# Altium PCB Beagle93.PCBDOC (part 4 of 7)
Units mm, origin at the board's own origin, x right, y up, seen from the top; angles counter-clockwise.
Board outline 86.3 x 85.3 mm, 6 copper layers (TopLayer, MidLayer1, MidLayer2, SignalLayer1, Internal Plane 1, BottomLayer), stack 1.528 mm thick; 387 components, 325 nets, 1796 pads, 884 vias.
Unrouted connection lines stored in the file: 7.
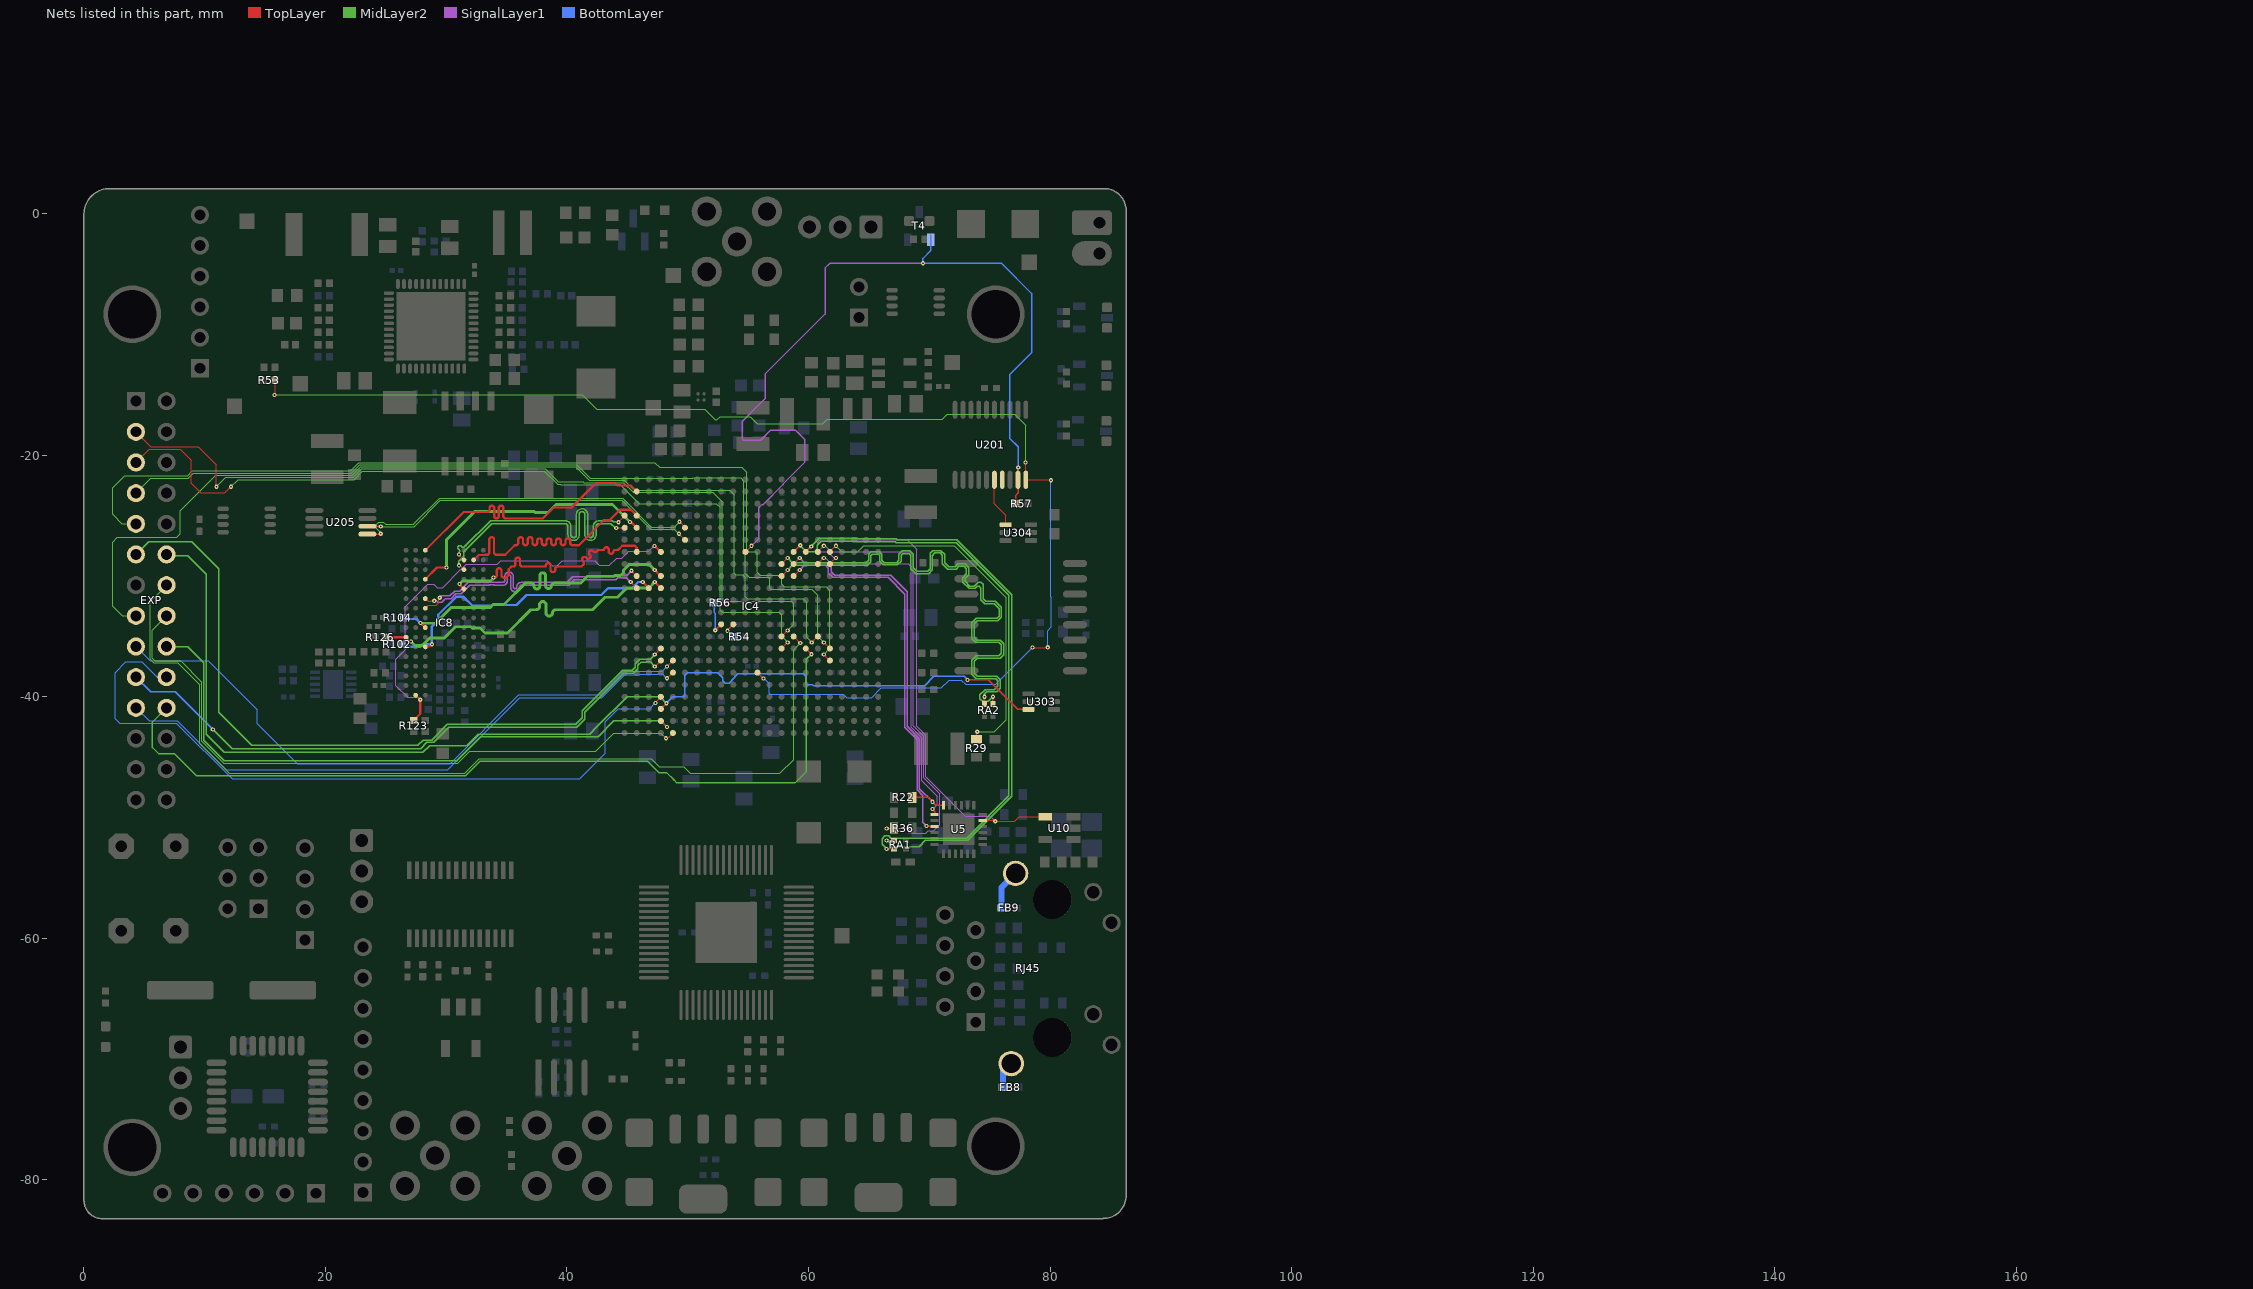
[diagram p8: the nets of this part, all layers, seen from the top]

## Via types
v1: diameter 0.35, hole 0.15, TopLayer to BottomLayer, tented both sides, 544 vias
v2: diameter 0.5, hole 0.2, TopLayer to BottomLayer, tented both sides, 183 vias
v3: diameter 0.6, hole 0.3, TopLayer to BottomLayer, tented both sides, 65 vias
v4: diameter 0.8, hole 0.5, TopLayer to BottomLayer, tented both sides, 53 vias
v5: diameter 0.8, hole 0.5, TopLayer to BottomLayer, 25 vias
v6: diameter 0.61, hole 0.305, TopLayer to BottomLayer, 12 vias
v7: diameter 0.508, hole 0.254, TopLayer to BottomLayer, 1 vias
v8: diameter 0.635, hole 0.381, TopLayer to BottomLayer, 1 vias

## Nets (pads, with @x,y where several pads share a name; then routed paths per layer and width w, separated by ;. In a path a pad name is that pad's centre, name@x,y a point inside that pad or via, vN(x,y) a via of type N, cw(c..) or ccw(c..) an arc to the next point about the centre after c; other vN are vias at no path point) (continued)
DDR3_DQ14: IC4.D2 IC8.B8 | length 23
  TopLayer w0.19: IC8.B8@32.267,-28.651 32.683,-28.235 33.226,-28.235 33.242,-28.219 33.375,-28.219 ccw(c33.375,-28.024) 33.57,-28.024 33.57,-26.962 cw(c33.765,-26.962) 33.765,-26.767 cw(c33.765,-26.962) 33.96,-26.962 33.96,-28.024 ccw(c34.155,-28.024) 34.155,-28.219 34.35,-28.219 34.881,-28.219 35.675,-27.425 35.775,-27.425 ccw(c35.775,-27.23) 35.97,-27.23 35.97,-26.962 cw(c36.165,-26.962) 36.165,-26.767 cw(c36.165,-26.962) 36.36,-26.962 36.36,-27.23 ccw(c36.555,-27.23) 36.555,-27.425 ccw(c36.555,-27.23) 36.75,-27.23 36.75,-26.962 cw(c36.945,-26.962) 36.945,-26.767 cw(c36.945,-26.962) 37.14,-26.962 37.14,-27.23 ccw(c37.335,-27.23) 37.335,-27.425 ccw(c37.335,-27.23) 37.53,-27.23 37.53,-27.069 cw(c37.725,-27.069) 37.725,-26.874 cw(c37.725,-27.069) 37.92,-27.069 37.92,-27.23 ccw(c38.115,-27.23) 38.115,-27.425 ccw(c38.115,-27.23) 38.31,-27.23 38.31,-27.069 cw(c38.505,-27.069) 38.505,-26.874 cw(c38.505,-27.069) 38.7,-27.069 38.7,-27.23 ccw(c38.895,-27.23) 38.895,-27.425 ccw(c38.895,-27.23) 39.09,-27.23 39.09,-27.069 cw(c39.285,-27.069) 39.285,-26.874 cw(c39.285,-27.069) 39.48,-27.069 39.48,-27.23 ccw(c39.675,-27.23) 39.675,-27.425 ccw(c39.675,-27.23) 39.87,-27.23 39.87,-27.069 cw(c40.065,-27.069) 40.065,-26.874 cw(c40.065,-27.069) 40.26,-27.069 40.26,-27.23 ccw(c40.455,-27.23) 40.455,-27.425 40.65,-27.425 40.825,-27.425 40.95,-27.425 40.995,-27.425 43.05,-25.37 43.517,-25.37 44.402,-24.485 45.272,-24.485 IC4.D2@45.772,-24.985
DDR3_DQ15: IC4.B2 IC8.A3 | length 23.4
  TopLayer w0.19: IC8.A3@28.267,-27.851 31.443,-24.675 33.4,-24.675 ccw(c33.4,-24.485) 33.59,-24.485 33.59,-24.349 cw(c33.78,-24.349) 33.78,-24.159 cw(c33.78,-24.349) 33.97,-24.349 33.97,-24.675 33.97,-25.026 ccw(c34.16,-25.026) 34.16,-25.216 ccw(c34.16,-25.026) 34.35,-25.026 34.35,-24.675 34.35,-24.349 cw(c34.54,-24.349) 34.54,-24.159 cw(c34.54,-24.349) 34.73,-24.349 34.73,-24.675 34.73,-25.026 ccw(c34.92,-25.026) 34.92,-25.216 37.984,-25.216 38.9,-24.3 40.375,-24.3 42.4,-22.275 43.99,-22.275 44.2,-22.485 45.272,-22.485 IC4.B2@45.772,-22.985
DDR3_LDM: IC4.G2 IC8.E7 | length 22.4
  TopLayer w0.19: v1(31.1,-30.65) 31.1,-30.684 IC8.E7@31.467,-31.051 ; v1(33.91,-30.114) 33.991,-30.114 ccw(c33.991,-29.919) 34.186,-29.919 34.186,-29.533 cw(c34.381,-29.533) 34.381,-29.338 cw(c34.381,-29.533) 34.576,-29.533 34.576,-29.919 ccw(c34.771,-29.919) 34.771,-30.114 34.966,-30.114 35.175,-29.905 35.175,-29.425 35.4,-29.2 35.53,-29.2 ccw(c35.53,-29.005) 35.725,-29.005 35.725,-28.654 cw(c35.92,-28.654) 35.92,-28.459 cw(c35.92,-28.654) 36.115,-28.654 36.115,-29.005 ccw(c36.31,-29.005) 36.31,-29.2 36.505,-29.2 36.7,-29.2 38.05,-29.2 38.157,-29.2 ccw(c38.157,-29.112) 38.245,-29.112 cw(c38.44,-29.112) 38.44,-28.917 cw(c38.44,-29.112) 38.635,-29.112 38.635,-29.2 38.635,-29.463 ccw(c38.83,-29.463) 38.83,-29.658 ccw(c38.83,-29.463) 39.025,-29.463 39.025,-29.395 cw(c39.22,-29.395) 39.22,-29.2 39.415,-29.2 39.65,-29.2 41.2,-29.2 41.35,-29.05 ccw(c41.212,-28.912) 41.35,-28.774 41.308,-28.732 cw(c41.446,-28.594) 41.308,-28.456 cw(c41.446,-28.594) 41.584,-28.456 41.626,-28.498 ccw(c41.764,-28.361) 41.902,-28.498 ccw(c41.764,-28.361) 41.902,-28.223 41.872,-28.194 cw(c42.01,-28.056) 41.872,-27.918 cw(c42.01,-28.056) 42.148,-27.918 42.177,-27.947 ccw(c42.315,-27.809) 42.453,-27.947 42.563,-27.838 42.57,-27.83 42.875,-27.83 43.034,-27.83 ccw(c43.034,-27.794) 43.07,-27.794 cw(c43.265,-27.794) 43.265,-27.599 cw(c43.265,-27.794) 43.46,-27.794 43.46,-27.83 43.46,-27.944 ccw(c43.655,-27.944) 43.655,-28.139 ccw(c43.655,-27.944) 43.85,-27.944 cw(c43.964,-27.944) 43.964,-27.83 44.22,-27.83 44.575,-27.475 45.625,-27.475 45.772,-27.622 IC4.G2@45.772,-27.985
  MidLayer2 w0.24: v1(31.1,-30.65) 31.35,-30.4 33.674,-30.4 v1@33.9,-30.174
DDR3_LDQS_N: IC4.J2 IC8.G3 | length 21.3
  TopLayer w0.095: IC8.G3@28.267,-32.651 28.507,-32.411 28.854,-32.411 28.855,-32.412 29.164,-32.412 29.382,-32.194 29.382,-31.962 29.46,-31.885 v1(29.46,-31.789) ; v1(45.337,-29.55) IC4.J2@45.772,-29.985
  SignalLayer1 w0.115: v1(29.46,-31.789) 29.46,-31.765 29.603,-31.622 30.303,-31.622 30.7,-31.225 31.125,-31.225 31.835,-30.515 33.51,-30.515 33.528,-30.497 34.066,-30.497 34.084,-30.515 34.7,-30.515 ccw(c34.7,-30.383) 34.833,-30.383 34.833,-30.024 cw(c35.2,-30.024) 35.2,-29.657 cw(c35.2,-30.024) 35.568,-30.024 35.568,-30.911 ccw(c35.7,-30.911) 35.7,-31.043 ccw(c35.7,-30.911) 35.833,-30.911 35.833,-30.883 cw(c36.2,-30.883) 36.2,-30.515 40.01,-30.515 40.466,-30.059 43.949,-30.059 44.108,-29.9 44.987,-29.9 v1(45.337,-29.55)
DDR3_LDQS_P: IC4.K2 IC8.F3 | length 21.1
  TopLayer w0.095: IC8.F3@28.267,-31.851 28.507,-32.091 28.709,-32.091 28.761,-32.039 v1(29.01,-32.039) ; v1(45.272,-30.485) IC4.K2@45.772,-30.985
  SignalLayer1 w0.115: v1@29.077,-31.943 29.077,-31.948 29.301,-32.172 29.618,-32.172 29.842,-31.948 29.842,-31.924 29.909,-31.857 30.4,-31.857 30.797,-31.46 31.222,-31.46 31.932,-30.75 33.55,-30.75 33.593,-30.707 33.943,-30.707 33.968,-30.732 ; v1(45.272,-30.485) 44.922,-30.135 44.206,-30.135 44.137,-30.204 44.047,-30.294 40.616,-30.294 40.16,-30.75 36.2,-30.75 ccw(c36.2,-30.883) 36.068,-30.883 36.068,-30.911 cw(c35.7,-30.911) 35.7,-31.278 cw(c35.7,-30.911) 35.333,-30.911 35.333,-30.024 ccw(c35.2,-30.024) 35.2,-29.892 ccw(c35.2,-30.024) 35.068,-30.024 35.068,-30.383 cw(c34.7,-30.383) 34.7,-30.75 33.986,-30.75 ; 33.968,-30.732 33.977,-30.741 33.986,-30.75 ; 33.968,-30.732 33.986,-30.75
DDR3_ODT: IC4.K4 IC8.K1 R126.2 | length 27.7
  TopLayer w0.19: R126.2@25.02,-35.05 IC8.K1@26.659,-35.05 ; IC8.K1@26.667,-35.051 IC8.K1@26.659,-35.05 ; IC8.K1@26.667,-35.051 26.667,-35.042 IC8.K1@26.659,-35.05 ; v1(27.085,-35.415) 26.973,-35.415 26.638,-35.08 26.634,-35.075 IC8.K1@26.659,-35.05 ; v1(47.272,-30.485) IC4.K4@47.772,-30.985
  MidLayer2 w0.24: v1(27.085,-35.415) 27.415,-35.745 28.005,-35.745 28.65,-35.1 29.85,-35.1 30.77,-34.18 32.034,-34.18 32.139,-34.285 32.784,-34.285 33.199,-34.7 35.075,-34.7 37,-32.775 37.45,-32.775 ccw(c37.45,-32.505) 37.72,-32.505 37.72,-32.363 cw(c37.99,-32.363) 37.99,-32.093 cw(c37.99,-32.363) 38.26,-32.363 38.26,-32.775 38.26,-33.03 ccw(c38.53,-33.03) 38.53,-33.3 ccw(c38.53,-33.03) 38.8,-33.03 38.8,-33.045 cw(c39.07,-33.045) 39.07,-32.775 39.925,-32.775 42.1,-32.775 43.138,-31.738 44.188,-31.738 44.956,-30.969 46.788,-30.969 v1(47.272,-30.485)
DDR3_RAS_N: IC4.J4 IC8.J3 R104.1 | length 27.4
  TopLayer w0.19: v1(27.86,-33.865) 27.87,-33.865 28.256,-34.251 IC8.J3@28.267,-34.251 ; v1(47.272,-29.485) IC4.J4@47.772,-29.985
  MidLayer2 w0.24: v1(27.86,-33.865) 27.89,-33.895 29.109,-33.895 30.428,-32.576 33.653,-32.576 33.879,-32.35 34.775,-32.35 36.55,-30.575 36.79,-30.575 37.03,-30.575 cw(c37.03,-30.815) 37.27,-30.815 ccw(c37.51,-30.815) 37.51,-31.055 ccw(c37.51,-30.815) 37.75,-30.815 37.75,-30.575 37.75,-29.951 cw(c37.99,-29.951) 37.99,-29.711 cw(c37.99,-29.951) 38.23,-29.951 38.23,-30.575 38.23,-30.784 ccw(c38.47,-30.784) 38.47,-31.024 ccw(c38.47,-30.784) 38.71,-30.784 ; 38.71,-30.815 cw(c38.95,-30.815) 38.95,-30.575 39.175,-30.575 41.125,-30.575 41.7,-30 43.875,-30 43.93,-29.945 44.434,-29.945 44.695,-29.684 44.695,-29.48 45.15,-29.025 46.812,-29.025 v1(47.272,-29.485) ; 38.71,-30.804 38.71,-30.794
  BottomLayer w0.19: R104.1@26.445,-33.425 26.565,-33.545 27.529,-33.545 27.848,-33.865 v1(27.86,-33.865)
DDR3_RESET_N: IC4.G4 IC8.T2 R123.2 | length 36.2
  TopLayer w0.19: R123.2@27.3,-41.93 27.841,-41.389 27.841,-40.225 IC8.T2@27.467,-39.851 ; v1@47.246,-27.5 v1(47.236,-27.489) 47.276,-27.489 IC4.G4@47.772,-27.985
  SignalLayer1 w0.1: v1(27.85,-40.225) 27.65,-40.025 26.8,-40.025 25.825,-39.05 25.825,-36.875 26.6,-36.1 26.6,-32.525 28.475,-30.65 28.95,-30.65 29.25,-30.95 29.7,-30.95 31.175,-29.475 31.205,-29.475 31.666,-29.014 34.215,-29.014 34.505,-28.725 38.384,-28.725 38.799,-29.139 39.172,-29.139 39.586,-28.725 42.3,-28.725 42.675,-29.1 43.499,-29.1 44.099,-28.5 44.55,-28.5 45.1,-27.95 46.775,-27.95 v1(47.236,-27.489)
DDR3_UDM: IC4.E2 IC8.D3 | length 22.3
  TopLayer w0.19: IC8.D3@28.267,-30.251 29.243,-29.275 v1(30.025,-29.275) ; v1@45.221,-25.525 v1(45.21,-25.514) 45.301,-25.514 IC4.E2@45.772,-25.985
  MidLayer2 w0.24: v1(30.025,-29.275) 30.025,-26.975 32.375,-24.625 37.277,-24.625 37.372,-24.72 38.43,-24.72 39.095,-24.055 43.763,-24.055 45.21,-25.502 v1(45.21,-25.514)
DDR3_UDQS_N: IC4.D1 IC8.B7 | length 23.2
  TopLayer w0.095: v1(31.06,-28.189) 31.06,-28.244 IC8.B7@31.467,-28.651 ; v1(44.275,-25.525) 44.232,-25.525 IC4.D1@44.772,-24.985
  MidLayer2 w0.115: v1(31.06,-28.189) 31.06,-28.015 ccw(c30.948,-27.904) 31.06,-27.793 31.001,-27.734 cw(c31.113,-27.623) 31.001,-27.512 cw(c31.113,-27.623) 31.224,-27.512 31.282,-27.57 ccw(c31.394,-27.458) 31.505,-27.57 ; 31.75,-27.325 31.617,-27.458 31.505,-27.57 ; v1(44.275,-25.525) 44.25,-25.5 43.832,-25.5 43.74,-25.407 42.65,-25.407 ccw(c42.65,-25.875) 42.183,-25.875 42.183,-26.57 cw(c41.95,-26.57) 41.95,-26.803 cw(c41.95,-26.57) 41.718,-26.57 41.718,-24.88 ccw(c41.25,-24.88) 41.25,-24.412 ccw(c41.25,-24.88) 40.783,-24.88 40.783,-26.57 cw(c40.55,-26.57) 40.55,-26.803 cw(c40.55,-26.57) 40.318,-26.57 40.318,-25.875 ccw(c39.85,-25.875) 39.85,-25.407 33.668,-25.407 31.505,-27.57
DDR3_UDQS_P: IC4.E1 IC8.C7 | length 22.7
  TopLayer w0.095: v1(31.05,-29.1) 31.116,-29.1 IC8.C7@31.467,-29.451 ; v1(44.075,-26) 44.083,-25.993 44.765,-25.993 IC4.E1@44.772,-25.985
  MidLayer2 w0.115: v1(31.05,-29.1) 31.05,-28.74 31.442,-28.348 31.442,-27.965 33.765,-25.642 39.85,-25.642 cw(c39.85,-25.875) 40.083,-25.875 40.083,-26.57 ccw(c40.55,-26.57) 40.55,-27.038 ccw(c40.55,-26.57) 41.018,-26.57 41.018,-24.88 cw(c41.25,-24.88) 41.25,-24.647 cw(c41.25,-24.88) 41.483,-24.88 41.483,-26.57 ccw(c41.95,-26.57) 41.95,-27.038 ccw(c41.95,-26.57) 42.418,-26.57 42.418,-25.875 cw(c42.65,-25.875) 42.65,-25.642 43.643,-25.642 44,-26 v1(44.075,-26)
DDR3_WE_N: IC4.K3 IC8.L3 R102.1 | length 25.2
  TopLayer w0.19: IC8.L3@28.267,-35.851 28.307,-35.811 28.592,-35.811 28.766,-35.636 v1(28.81,-35.636) ; v1(46.272,-30.485) IC4.K3@46.772,-30.985
  BottomLayer w0.19: R102.1@26.395,-35.85 27.843,-35.85 28.057,-35.636 v1(28.81,-35.636) 28.81,-34.159 29.345,-33.624 29.345,-33.197 30.831,-31.711 31.436,-31.711 32.16,-32.435 33.759,-32.435 33.809,-32.385 35.816,-32.385 36.65,-31.55 42.844,-31.55 43.4,-30.994 45.392,-30.994 45.901,-30.485 v1(46.272,-30.485)
DXN_0: IC4.N9 R56.1 | length 3
  TopLayer w0.125: v1(52.27,-34.473) 52.284,-34.473 IC4.N9@52.772,-33.985
  BottomLayer w0.125: R56.1@52.205,-32.2 52.205,-33.022 52.275,-33.092 52.275,-33.977 52.27,-33.981 v1(52.27,-34.473)
DXP_0: IC4.N10 R54.1 | length 1.5
  TopLayer w0.125: v1@53.286,-34.471 IC4.N10@53.772,-33.985
  BottomLayer w0.125: v1(53.286,-34.524) 53.787,-35.025 R54.1@53.855,-35.025
ENET_FB1: FB8.2 RJ45.14 | length 2.2
  BottomLayer w0.5: FB8.2@76.121,-72.325 76.121,-71.029 RJ45.14@76.79,-70.36
ENET_FB2: FB9.2 RJ45.13 | length 3.3
  BottomLayer w0.5: FB9.2@75.994,-57.466 75.994,-55.766 RJ45.13@77.15,-54.61
ENET_RXD_N: IC4.H14 RA2.1 | length 45.1
  TopLayer w0.095: IC4.H14@57.772,-28.985 v1(58.272,-28.485)
  TopLayer w0.115: RA2.1@74.572,-40.585 v1(74.572,-39.985)
  MidLayer2 w0.115: v1(58.272,-28.485) 58.655,-28.867 64.79,-28.867 64.972,-28.685 64.972,-28.185 65.172,-27.985 65.872,-27.985 66.072,-28.185 66.072,-28.685 66.255,-28.867 67.29,-28.867 67.472,-28.685 67.472,-28.185 67.772,-27.885 68.372,-27.885 68.672,-28.185 68.672,-29.285 68.972,-29.585 69.872,-29.585 70.072,-29.385 70.072,-28.085 70.272,-27.885 70.972,-27.885 71.272,-28.185 71.272,-28.885 71.602,-29.215 72.142,-29.215 72.372,-28.985 72.972,-28.985 73.272,-29.285 73.272,-29.885 72.972,-30.185 72.972,-30.415 73.372,-30.815 73.742,-30.815 74.072,-30.485 74.272,-30.485 74.472,-30.685 74.472,-31.885 74.672,-32.085 75.472,-32.085 75.972,-32.585 75.972,-33.385 75.672,-33.685 73.972,-33.685 73.714,-33.943 73.714,-35.085 73.914,-35.285 75.872,-35.285 76.172,-35.585 76.172,-36.485 75.872,-36.785 73.972,-36.785 73.714,-37.043 73.714,-38.027 73.972,-38.285 75.572,-38.285 75.872,-38.585 75.872,-39.285 75.572,-39.585 74.772,-39.585 74.572,-39.785 v1(74.572,-39.985)
ENET_RXD_P: IC4.J14 RA2.3 | length 45.9
  TopLayer w0.095: IC4.J14@57.772,-29.985 v1(58.272,-29.485)
  TopLayer w0.115: RA2.3@75.272,-40.585 v1(75.272,-39.985)
  MidLayer2 w0.115: v1(58.272,-29.485) 58.655,-29.102 64.855,-29.102 65.172,-28.785 65.172,-28.285 65.281,-28.176 65.793,-28.176 65.881,-28.264 65.881,-28.764 66.175,-29.059 67.369,-29.059 67.663,-28.764 67.663,-28.264 67.807,-28.12 68.337,-28.12 68.481,-28.264 68.481,-29.364 68.893,-29.776 69.951,-29.776 70.263,-29.464 70.263,-28.285 70.472,-28.076 70.893,-28.076 71.081,-28.264 71.081,-28.964 71.522,-29.406 72.222,-29.406 72.451,-29.176 72.893,-29.176 73.081,-29.364 73.081,-29.806 72.781,-30.106 72.781,-30.494 73.293,-31.006 73.822,-31.006 73.986,-30.841 74.137,-30.841 74.281,-30.985 74.281,-31.964 74.602,-32.285 75.381,-32.285 75.781,-32.685 75.781,-33.306 75.593,-33.494 73.893,-33.494 73.523,-33.863 73.523,-35.164 73.835,-35.476 75.763,-35.476 75.972,-35.685 75.972,-36.385 75.763,-36.594 73.893,-36.594 73.523,-36.963 73.523,-38.107 73.893,-38.476 75.493,-38.476 75.572,-38.555 75.572,-38.585 75.681,-38.694 75.681,-39.085 75.372,-39.394 74.622,-39.394 74.19,-39.827 74.19,-40.143 74.414,-40.368 74.89,-40.368 v1(75.272,-39.985)
ENET_TXD_N: IC4.G16 RA1.3 | length 49
  TopLayer w0.095: v1(66.472,-51.885) 66.479,-51.878 RA1.3@67.085,-51.878
  TopLayer w0.115: IC4.G16@59.772,-27.985 v1(60.222,-27.535)
  MidLayer2 w0.115: v1(60.222,-27.535) 60.89,-26.868 61.722,-26.868 64.049,-26.867 64.078,-26.897 67.279,-26.897 67.358,-26.975 72.262,-26.975 76.835,-31.548 76.835,-48.222 73.172,-51.885 69.672,-51.885 69.172,-52.385 66.972,-52.385 v1(66.472,-51.885)
ENET_TXD_P: IC4.G15 RA1.1 | length 51.1
  TopLayer w0.095: v1(66.472,-52.585) 66.479,-52.578 RA1.1@67.085,-52.578
  TopLayer w0.115: IC4.G15@58.772,-27.985 v1(59.322,-27.435)
  MidLayer2 w0.115: v1(59.322,-27.435) 59.322,-27.485 59.822,-27.985 60.522,-27.985 60.722,-27.785 60.722,-27.435 61.055,-27.102 63.951,-27.102 63.981,-27.132 67.182,-27.132 67.26,-27.21 72.227,-27.21 76.6,-31.583 76.6,-48.187 73.093,-51.694 66.822,-51.694 66.63,-51.503 66.314,-51.503 66.09,-51.727 66.09,-52.203 v1(66.472,-52.585)
ENET_XTAL: IC4.H18 U5.5 U10.4 | length 43.5
  TopLayer w0.095: IC4.H18@61.772,-28.985 v1(62.272,-28.485) ; U5.5@74.435,-50.219 75.406,-50.219 v1(75.472,-50.285) 77.072,-50.285 77.445,-49.912 U10.4@79.61,-49.912
  SignalLayer1 w0.095: v1(62.272,-28.485) 62.072,-28.485 61.572,-27.985 60.872,-27.985 60.772,-27.885 60.772,-27.185 60.972,-26.985 68.172,-26.985 68.972,-27.785 68.972,-42.443 69.714,-43.185 69.714,-46.614 72.985,-49.885 75.072,-49.885 v1(75.472,-50.285)
ETH_CRS: IC4.G18 R29.2 | length 30.5
  TopLayer w0.1: IC4.G18@61.772,-27.985 v1(62.272,-27.485) ; R29.2@73.927,-43.508 73.927,-42.93 v1(73.972,-42.885)
  MidLayer2 w0.1: v1(62.272,-27.485) 62.772,-27.985 64.072,-27.985 64.572,-27.485 72.072,-27.485 76.356,-31.769 76.356,-41.901 75.372,-42.885 v1(73.972,-42.885)
ETH_MDC: IC4.H17 U5.13 | length 29.9
  TopLayer w0.095: IC4.H17@60.772,-28.985 v1(61.272,-28.485)
  TopLayer w0.115: v1(70.272,-49.285) 70.435,-49.448 U5.13@70.435,-49.719
  SignalLayer1 w0.095: v1(61.272,-28.485) 61.386,-28.485 61.886,-28.985 68.272,-28.985 68.501,-29.214 68.501,-42.514 69.372,-43.385 69.372,-46.94 70.645,-48.213 70.645,-48.913 v1(70.272,-49.285)
ETH_MDIO: IC4.H15 R22.1 U5.12 | length 32.1
  TopLayer w0.095: IC4.H15@58.772,-28.985 v1(59.272,-28.485)
  TopLayer w0.115: R22.1@68.581,-48.322 69.909,-48.322 v1(70.272,-48.685) 70.556,-48.969 U5.12@71.185,-48.969
  SignalLayer1 w0.115: v1(59.272,-28.485) 59.655,-28.868 61.512,-28.868 61.89,-29.245 61.89,-29.643 62.157,-29.911 66.798,-29.911 68.172,-31.285 68.172,-42.441 69.191,-43.46 69.191,-47.604 v1(70.272,-48.685)
ETH_RST: IC4.J15 U5.15 | length 31.4
  TopLayer w0.095: IC4.J15@58.772,-29.985 v1(59.272,-29.485)
  TopLayer w0.115: v1(69.772,-50.685) 69.806,-50.719 U5.15@70.435,-50.719
  SignalLayer1 w0.115: v1(59.272,-29.485) 59.655,-29.103 61.414,-29.103 61.655,-29.343 61.655,-29.741 62.016,-30.103 66.59,-30.103 67.972,-31.485 67.972,-42.512 69,-43.539 69,-47.683 69.481,-48.164 69.481,-50.394 v1(69.772,-50.685)
ETH_TX_EN: IC4.G17 R36.2 | length 37.1
  TopLayer w0.095: IC4.G17@60.772,-27.985 v1(61.272,-27.485) ; v1(66.472,-50.885) 66.495,-50.862 R36.2@67.081,-50.862
  SignalLayer1 w0.095: v1(61.272,-27.485) 61.372,-27.485 61.872,-27.985 68.372,-27.985 68.672,-28.285 68.672,-42.385 69.543,-43.256 69.543,-46.685 70.872,-48.014 70.872,-50.585 70.372,-51.085 69.899,-51.085 69.699,-51.285 68.572,-51.285 68.172,-50.885 v1(66.472,-50.885)
FPGA_BEAGLE_0: EXP.3 IC4.P14 | length 70.5
  TopLayer w0.1: EXP.3@4.3,-18.04 5.545,-19.285 9.472,-19.285 10.972,-20.785 v1(10.972,-22.585) ; IC4.P14@57.772,-34.985 v1(58.272,-34.485)
  MidLayer2 w0.1: v1(10.972,-22.585) 11.743,-21.814 22.291,-21.814 22.991,-21.114 38.201,-21.114 39.272,-22.185 41.337,-22.185 41.393,-22.241 44.674,-22.241 45.494,-23.061 52.072,-23.061 52.861,-23.85 52.861,-31.874 53.048,-32.061 58.572,-32.061 58.772,-32.261 58.772,-33.985 v1(58.272,-34.485)
FPGA_BEAGLE_1: EXP.5 IC4.R14 | length 70.4
  TopLayer w0.1: EXP.5@4.3,-20.58 5.395,-19.485 7.972,-19.485 8.872,-20.385 8.872,-22.285 9.672,-23.085 11.672,-23.085 v1(12.172,-22.585) ; IC4.R14@57.772,-35.985 v1(58.272,-35.485)
  MidLayer2 w0.1: v1(12.172,-22.585) 12.767,-21.99 22.364,-21.99 23.064,-21.29 38.128,-21.29 39.238,-22.4 39.461,-22.4 39.479,-22.418 44.425,-22.418 45.992,-23.985 52.372,-23.985 52.685,-24.298 52.685,-32.798 52.872,-32.985 57.572,-32.985 57.772,-33.185 57.772,-34.985 v1(58.272,-35.485)
FPGA_BEAGLE_2: EXP.7 IC4.R18 | length 71.6
  TopLayer w0.1: v1(61.272,-35.485) IC4.R18@61.772,-35.985
  MidLayer2 w0.1: EXP.7@4.3,-23.12 5.535,-21.885 8.621,-21.885 9.045,-21.461 22.145,-21.461 22.845,-20.761 40.799,-20.761 41.927,-21.889 50.416,-21.889 50.445,-21.86 54.372,-21.86 54.647,-22.135 54.647,-28.06 54.772,-28.185 54.772,-29.785 55.088,-30.101 56.688,-30.101 56.772,-30.185 56.772,-30.985 56.872,-31.085 60.272,-31.085 60.772,-31.585 60.772,-34.985 v1(61.272,-35.485)
FPGA_BEAGLE_3: EXP.9 IC4.T18 | length 80.3
  TopLayer w0.1: v1(61.272,-36.485) IC4.T18@61.772,-36.985
  MidLayer2 w0.1: EXP.9@4.3,-25.66 3.147,-25.66 2.372,-24.885 2.372,-22.685 3.372,-21.685 8.572,-21.685 8.972,-21.285 22.072,-21.285 22.772,-20.585 47.272,-20.585 47.666,-20.979 54.466,-20.979 54.872,-21.385 54.872,-27.785 55.072,-27.985 55.672,-27.985 55.772,-28.085 55.772,-29.685 56.012,-29.925 57.512,-29.925 57.772,-30.185 57.772,-30.685 57.972,-30.885 61.472,-30.885 61.772,-31.185 61.772,-35.985 v1(61.272,-36.485)
FPGA_BEAGLE_6: EXP.15 IC4.P17 | length 82.3
  TopLayer w0.1: v1(60.272,-35.485) IC4.P17@60.772,-34.985
  MidLayer2 w0.1: EXP.15@4.3,-33.28 3.167,-33.28 2.372,-32.485 2.372,-27.185 2.772,-26.785 7.672,-26.785 7.972,-26.485 7.972,-24.585 10.92,-21.637 22.218,-21.637 22.918,-20.937 40.726,-20.937 41.854,-22.065 44.747,-22.065 45.567,-22.885 53.472,-22.885 53.847,-23.26 53.847,-29.76 53.972,-29.885 54.572,-29.885 54.772,-30.085 54.772,-31.685 54.972,-31.885 59.572,-31.885 59.85,-32.163 59.85,-35.063 v1(60.272,-35.485)
FPGA_BEAGLE_A: EXP.14 IC4.P15 | length 78.9
  TopLayer w0.1: IC4.P15@58.772,-34.985 v1(59.322,-35.535)
  MidLayer2 w0.1: EXP.14@6.84,-30.74 5.472,-32.108 5.472,-36.885 5.772,-37.185 7.772,-37.185 9.572,-38.985 9.572,-43.885 12.022,-46.335 31.522,-46.335 32.722,-45.135 46.981,-45.135 47.631,-45.785 49.672,-45.785 50.222,-46.335 57.622,-46.335 58.772,-45.185 58.772,-36.085 v1(59.322,-35.535)
FPGA_BEAGLE_B: EXP.22 IC4.R16 | length 71.1
  TopLayer w0.125: IC4.R16@59.772,-35.985 60.242,-36.455 v1(60.246,-36.455)
  MidLayer2 w0.125: EXP.22@6.84,-40.9 5.672,-42.068 5.672,-44.185 6.172,-44.685 7.472,-44.685 9.311,-46.524 31.6,-46.524 32.8,-45.324 46.672,-45.324 47.633,-46.285 48.272,-46.285 48.791,-46.804 48.791,-46.82 49.062,-47.091 58.917,-47.091 59.799,-46.208 59.799,-39.229 59.822,-39.206 59.822,-36.879 v1(60.246,-36.455)
FPGA_DONE: IC4.G11 R57.1 T4.1 U201.19 | length 73.7
  TopLayer w0.125: IC4.G11@54.772,-27.985 v1(55.272,-27.485) ; R57.1@77.172,-23.985 77.172,-23.285 77.372,-23.085 77.372,-22.039 U201.19@77.345,-22.012 77.345,-21.012 v1(77.372,-20.985)
  SignalLayer1 w0.125: v1(55.272,-27.485) 55.885,-26.872 55.885,-24.325 56.112,-24.098 56.208,-24.098 57.899,-22.407 57.899,-22.354 59.706,-20.546 59.706,-18.693 58.931,-17.918 56.86,-17.918 56.047,-18.731 54.596,-18.731 54.508,-18.644 54.508,-17.195 56.398,-15.305 56.398,-13.259 61.372,-8.285 61.372,-4.485 61.772,-4.085 v1(69.472,-4.085)
  BottomLayer w0.125: T4.1@70.122,-1.735 T4.1@70.122,-2.135 70.122,-3.035 69.472,-3.685 v1(69.472,-4.085) 75.972,-4.085 78.472,-6.585 78.472,-11.485 76.672,-13.285 76.672,-18.585 77.372,-19.285 v1(77.372,-20.985)
FPGA_INIT_B: IC4.U12 R53.2 U201.20 | length 113.5
  TopLayer w0.1: R53.2@15.75,-13.845 R53.2@15.82,-13.775 15.82,-14.937 v1(15.772,-14.985) ; v1(77.972,-20.585) 77.995,-20.608 U201.20@77.995,-22.012 80.051,-22.012 v1(80.086,-22.047) ; v1(78.55,-35.903) 79.794,-35.903 v1(79.807,-35.89)
  TopLayer w0.125: IC4.U12@55.772,-37.985 56.248,-38.461 v1(56.284,-38.461)
  MidLayer2 w0.1: v1(15.772,-14.985) 41.272,-14.985 42.472,-16.185 51.422,-16.185 52.272,-17.035 52.422,-17.035 52.672,-16.785 55.172,-16.785 55.772,-17.385 61.172,-17.385 61.572,-16.985 71.072,-16.985 71.472,-16.585 77.072,-16.585 77.972,-17.485 v1(77.972,-20.585)
  SignalLayer1 w0.1: v1(56.284,-38.461) v1@56.296,-38.461
  BottomLayer w0.1: v1(56.284,-38.461) 56.744,-38.921 56.744,-39.695 56.819,-39.77 62.895,-39.77 63.17,-40.045 65.243,-40.045 66.04,-39.248 71,-39.248 71.638,-38.61 72.667,-38.61 73.017,-38.96 75.492,-38.96 v1(78.55,-35.903) ; v1(79.807,-35.89) 79.807,-34.505 80.112,-34.201 80.112,-31.732 80.072,-31.692 v1@80.072,-22.022
FPGA_NPCLK_N: IC4.E6 U205.5 | length 30.2
  TopLayer w0.1: U205.5@23.472,-26.51 24.547,-26.51 v1(24.572,-26.485) ; v1(49.322,-25.485) 49.772,-25.935 IC4.E6@49.772,-25.985
  MidLayer2 w0.1: v1(24.572,-26.485) 24.572,-26.415 24.197,-26.04 24.197,-25.73 24.417,-25.51 24.79,-25.51 24.989,-25.709 27.28,-25.709 29.442,-23.547 44.604,-23.547 46.99,-25.933 48.874,-25.933 v1(49.322,-25.485)
  SignalLayer1 w0.1: v1(24.572,-26.485) v1@24.622,-26.485 ; v1@49.322,-25.535 v1(49.322,-25.485)
FPGA_PCLK_P: IC4.F6 U205.6 | length 28.7
  TopLayer w0.1: U205.6@23.472,-25.86 24.547,-25.86 v1(24.572,-25.885) ; v1(49.272,-26.485) IC4.F6@49.772,-26.985
  MidLayer2 w0.1: v1(24.572,-25.885) 27.353,-25.885 29.515,-23.724 44.531,-23.724 46.917,-26.11 48.897,-26.11 v1(49.272,-26.485) v1@49.272,-26.361
FPGA_PROG: U201.17
FPGA_SPI2_CS: EXP.11 IC4.R4 | length 61.7
  TopLayer w0.095: v1(47.272,-36.485) IC4.R4@47.772,-35.985
  MidLayer2 w0.115: EXP.11@4.3,-28.2 5.358,-27.143 8.93,-27.143 11.172,-29.385 11.172,-41.285 13.895,-44.007 27.65,-44.007 28.084,-43.573 28.792,-43.573 30.101,-42.264 40.719,-42.264 41.254,-41.729 41.254,-41.151 44.604,-37.801 45.392,-37.801 45.643,-37.55 45.643,-37.259 46.021,-36.881 46.485,-36.881 46.499,-36.868 46.89,-36.868 v1(47.272,-36.485)
FPGA_SPI2_MISO: EXP.17 IC4.T5 | length 52.7
  TopLayer w0.095: v1(48.272,-37.485) IC4.T5@48.772,-36.985
  BottomLayer w0.095: EXP.17@4.3,-35.82 4.307,-35.82 5.472,-36.985 10.272,-36.985 14.364,-41.077 14.364,-42.226 17.666,-45.528 21.079,-45.528 30.311,-45.528 36.014,-39.825 42.798,-39.825 44.748,-37.875 45.059,-37.875 46.094,-37.875 46.107,-37.888 47.869,-37.888 47.882,-37.875 v1(48.272,-37.485)
FPGA_SPI2_MOSI: EXP.19 IC4.T4 | length 49.9
  TopLayer w0.095: v1(47.272,-37.485) IC4.T4@47.772,-36.985
  MidLayer2 w0.115: v1(10.672,-42.685) 12.272,-44.285 27.879,-44.285 28.4,-43.764 28.956,-43.764 30.221,-42.499 40.816,-42.499 41.489,-41.826 41.489,-41.249 44.701,-38.036 45.489,-38.036 45.74,-37.785 45.878,-37.647 45.878,-37.356 45.984,-37.25 45.992,-37.242 ; v1(47.272,-37.485) 46.89,-37.103 46.596,-37.103 46.589,-37.109 46.125,-37.109 46.046,-37.188 ; 45.992,-37.242 46.046,-37.188 ; 45.992,-37.242 46.046,-37.188
  BottomLayer w0.115: EXP.19@4.3,-38.36 5.525,-39.585 7.572,-39.585 v1(10.672,-42.685)
FPGA_SPI2_SCLK: EXP.21 IC4.U5 | length 50.2
  TopLayer w0.095: v1(48.275,-38.45) 48.307,-38.45 IC4.U5@48.772,-37.985
  BottomLayer w0.095: EXP.21@4.3,-40.9 5.385,-41.985 7.732,-41.985 11.783,-46.036 30.114,-46.036 36.105,-40.045 42.889,-40.045 44.792,-38.142 46.025,-38.142 46.055,-38.113 47.531,-38.113 47.549,-38.095 47.882,-38.095 48.237,-38.45 v1(48.275,-38.45)
FPGA_SPI_CS: EXP.16 IC4.AB5 | length 55.1
  TopLayer w0.1: v1(48.21,-43.423) 48.272,-43.485 IC4.AB5@48.772,-42.985
  MidLayer2 w0.1: EXP.16@6.84,-33.28 5.648,-34.472 5.648,-36.812 5.845,-37.009 7.996,-37.009 9.748,-38.761 9.748,-43.661 11.572,-45.485 28.672,-45.485 28.688,-45.469 30.948,-45.469 31.932,-44.485 42.372,-44.485 43.872,-42.985 47.772,-42.985 v1(48.21,-43.423)
FPGA_SPI_MISO: EXP.18 IC4.AA4 | length 51.4
  TopLayer w0.127: IC4.AA4@47.772,-41.985 v1(48.272,-42.485)
  MidLayer2 w0.115: EXP.18@6.84,-35.82 8.607,-35.82 9.932,-37.145 9.932,-43.585 11.632,-45.285 30.872,-45.285 32.872,-43.285 42.572,-43.285 43.872,-41.985 47.772,-41.985 v1(48.272,-42.485)
FPGA_SPI_MODE: U201.16 U304.4 | length 4.1
  TopLayer w0.1: U201.16@75.395,-22.012 75.395,-24.008 76.322,-24.935 U304.4@76.322,-25.735
FPGA_SPI_MOSI: EXP.12 IC4.Y4 U303.3 | length 93.9
  TopLayer w0.115: v1(73.172,-38.585) 74.872,-38.585 77.322,-41.035 U303.3@78.222,-41.035
  TopLayer w0.127: IC4.Y4@47.772,-41.028 IC4.Y4@47.772,-40.985 47.772,-40.976 v1(48.235,-40.513)
  MidLayer2 w0.115: EXP.12@6.84,-28.2 6.925,-28.285 8.572,-28.285 10.123,-29.836 10.123,-43.085 11.623,-44.585 28.072,-44.585 28.613,-44.044 31.699,-44.044 32.658,-43.085 41.872,-43.085 42.472,-42.485 42.478,-42.485 44.978,-39.985 47.707,-39.985 v1(48.235,-40.513)
  BottomLayer w0.115: v1(48.235,-40.513) 48.763,-39.985 49.672,-39.985 49.772,-39.885 49.772,-38.185 49.972,-37.985 52.472,-37.985 52.89,-38.402 52.89,-38.643 53.114,-38.868 53.43,-38.868 53.655,-38.643 53.655,-38.603 53.89,-38.368 53.89,-38.327 54.137,-38.079 59.566,-38.079 59.772,-38.285 59.772,-38.885 59.894,-39.007 60.345,-39.007 60.389,-39.051 69.61,-39.051 70.358,-38.303 72.89,-38.303 v1(73.172,-38.585)
FPGA_SPI_SCLK: EXP.20 IC4.W4 | length 60.7
  TopLayer w0.095: v1(47.32,-40.488) 47.306,-40.488 47.765,-40.029 47.772,-40.036 IC4.W4@47.772,-39.985 IC4.W4@47.749,-39.985
  BottomLayer w0.095: EXP.20@6.84,-38.36 6.047,-38.36 4.772,-37.085 3.472,-37.085 2.572,-37.985 2.572,-41.785 2.956,-42.169 7.656,-42.169 12.272,-46.785 41.072,-46.785 43.186,-44.671 43.186,-42.044 44.26,-40.97 46.838,-40.97 v1(47.32,-40.488)